# Altium PCB LAB_B3_209_V2.PcbDoc (part 4 of 4)
Units mm, origin at the board's own origin, x right, y up, seen from the top; angles counter-clockwise.
Board outline 94.69 x 88.04 mm, 4 copper layers (L1 [TOP], L2[GND], L3[SIG], L4[BOT]), stack 1.527 mm thick; 372 components, 284 nets, 1235 pads, 485 vias.
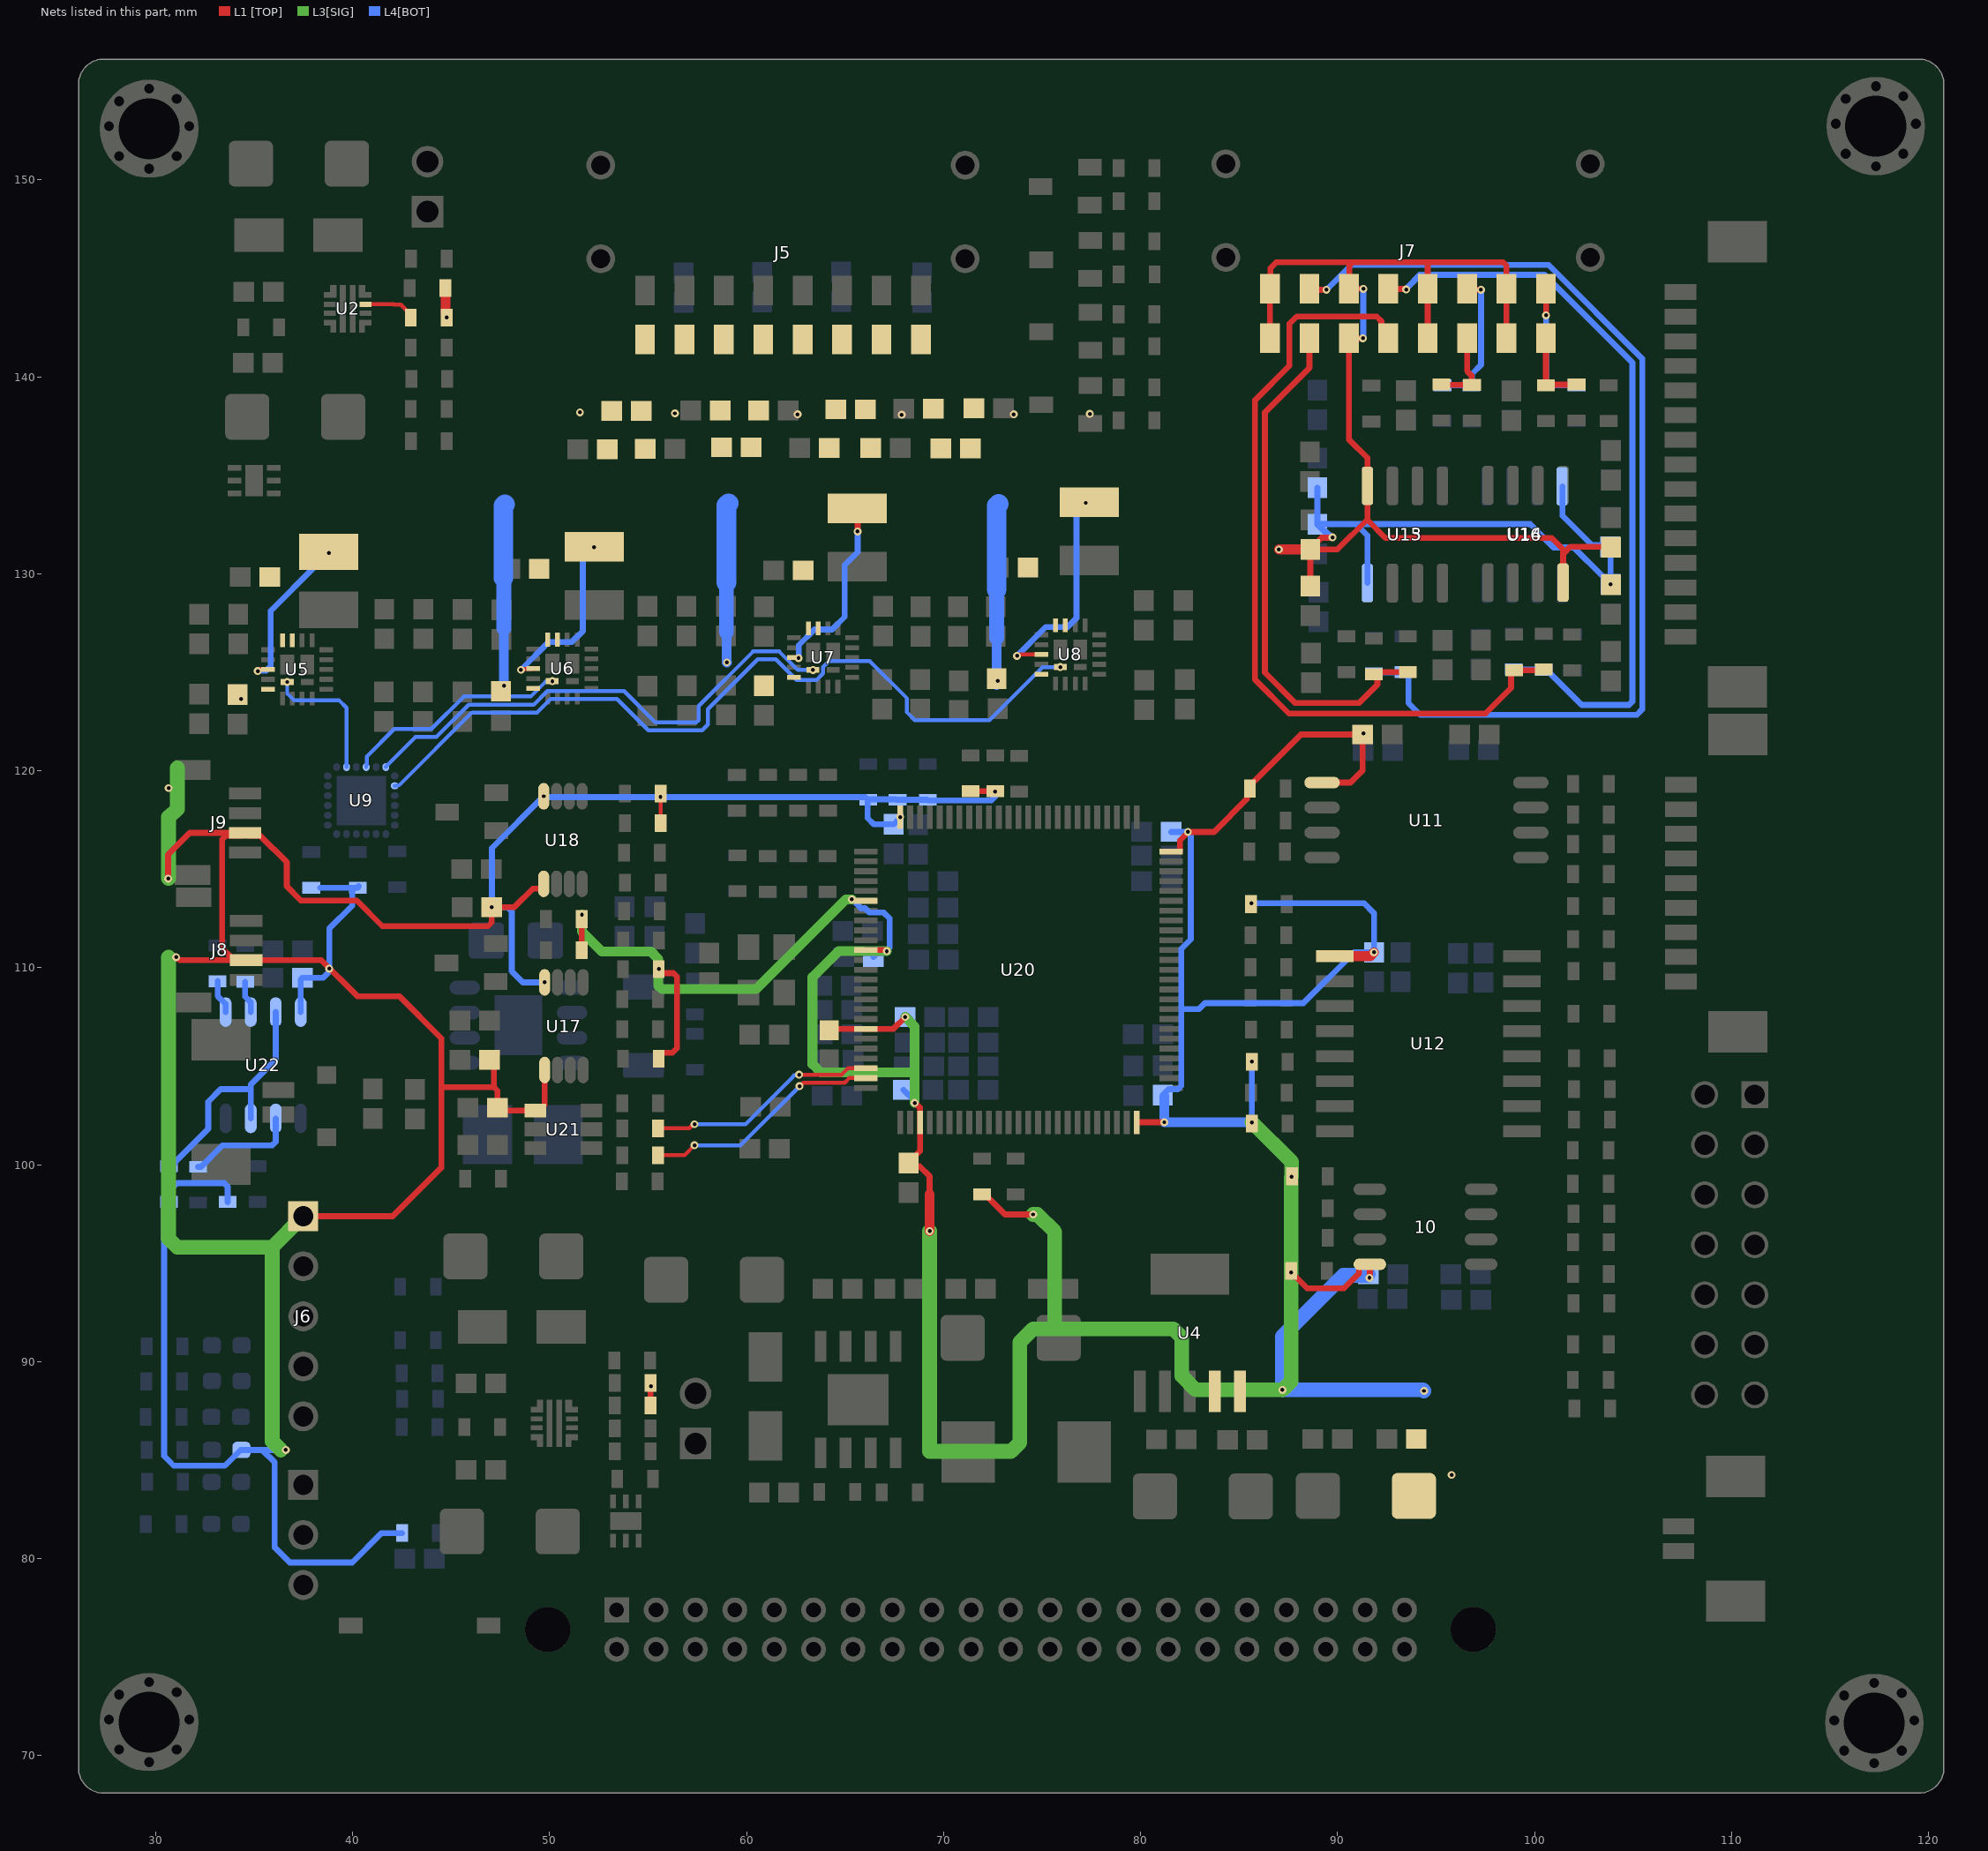
[diagram p6: the nets of this part, all layers, seen from the top]

## Via types
v1: diameter 0.4, hole 0.2, L1 [TOP] to L4[BOT], tented both sides, 297 vias
v2: diameter 0.4, hole 0.2, L1 [TOP] to L4[BOT], 66 vias
v3: diameter 0.4, hole 0.2, L1 [TOP] to L2[GND], tented both sides, 66 vias
v4: diameter 0.4, hole 0.2, L2[GND] to L4[BOT], tented both sides, 14 vias
v5: diameter 0.5, hole 0.2, L1 [TOP] to L4[BOT], tented both sides, 12 vias
v6: diameter 0.4, hole 0.2, L3[SIG] to L4[BOT], 10 vias
v7: diameter 0.4, hole 0.2, L1 [TOP] to L3[SIG], tented both sides, 9 vias
v8: diameter 0.4, hole 0.2, L1 [TOP] to L2[GND], 6 vias
v9: diameter 0.4, hole 0.2, L3[SIG] to L4[BOT], tented both sides, 3 vias
v10: diameter 0.4, hole 0.2, L2[GND] to L4[BOT], 2 vias

## Nets (pads, with @x,y where several pads share a name; then routed paths per layer and width w, separated by ;. In a path a pad name is that pad's centre, name@x,y a point inside that pad or via, vN(x,y) a via of type N, cw(c..) or ccw(c..) an arc to the next point about the centre after c; other vN are vias at no path point) (continued)
NetR140_1: R140.1 U22.3 U22.7 | length 12.5
  L4[BOT] w0.3: R140.1@30.736,99.898 30.808,99.898 30.983,100.074 30.983,100.145 32.664,101.826 32.664,103.2 33.301,103.837 34.823,103.837 ; U22.3@34.823,102.354 34.823,104.064 36.093,105.334 U22.7@36.093,107.754
NetR142_1: R142.1 U22.6 | length 1.7
  L4[BOT] w0.3: R142.1@34.544,109.296 34.544,108.53 34.823,108.251 U22.6@34.823,107.754
NetR143_1: R143.1 U22.5 | length 1.7
  L4[BOT] w0.3: R143.1@33.147,109.322 33.147,108.572 33.553,108.165 U22.5@33.553,107.754
NetR144_1: R144.1 U22.2 | length 5.7
  L4[BOT] w0.3: R144.1@32.156,99.898 32.306,99.898 33.394,100.986 35.918,100.986 36.093,101.162 U22.2@36.093,102.354
NetR149_2: R149.2 U2.3 | length 2.7
  L1 [TOP] w0.2: U2.3@40.647,143.684 42.08,143.684 42.098,143.666 42.439,143.666 42.949,143.155 R149.2@42.949,143.005
NTC1+: 10.8 C18.1 C19.2 C36.2 C39.2 C60.2 C63.2 C72.2 C76.2 C80.2 C85.1 C87.1 C94.1 C95.1 C101.1 C103.1 C109.1 C111.1 C117.1 C118.1 C126.1 C127.1 C128.1 C132.1 C136.1 C137.1 C138.1 C143.1 C155.1 DS4.A J6.1 J7.1 J7.3 J7.5 J7.7 J7.9 J7.11 J7.13 J7.15 J8.2 J9.2 L7.1 R3.1 R14.1 R37.2 R38.2 R40.2 R41.2 R47.1 R48.1 R49.1 R90.2 R91.2 R92.2 R93.2 R99.2 R100.2 R110.1 R118.2 R135.1 R136.1 R137.2 R139.2 R140.2 R145.2 R146.2 R147.2 R148.2 R149.1 U4.4 U4.5 U5.14 U6.14 U7.14 U8.14 U11.1 U12.1 U13.8 U14.8 U15.8 U16.8 U17.1 U17.8 U18.1 U18.8 U20.6 U20.11 U20.19 U20.28 U20.50 U20.75 U20.100 U21.1 U22.8 | length 527.6
  L1 [TOP] w0.2: R99.2@55.638,117.348 R100.2@55.638,118.847
  L1 [TOP] w0.3: v1(30.632,114.529) 30.632,115.748 31.734,116.849 J9.2@34.544,116.849 ; v1(31.039,110.541) 31.066,110.541 31.218,110.388 J8.2@34.595,110.388 38.405,110.388 40.234,108.56 42.367,108.56 44.501,106.426 44.501,103.937 ; J8.2@33.83,110.538 33.374,110.994 33.374,116.524 33.55,116.699 34.394,116.699 J9.2@34.544,116.849 ; J6.1@37.49,97.384 42.037,97.384 44.501,99.847 44.501,103.937 ; C117.1@46.953,105.334 47.174,105.112 47.174,103.937 ; U18.1@49.698,114.259 49.698,114.136 49.583,114.02 49.149,114.02 48.209,113.081 v1(47.066,113.081) C118.1@47.054,113.081 47.054,112.291 46.878,112.116 41.504,112.116 40.208,113.411 37.357,113.411 37.357,113.438 36.652,114.143 36.652,115.367 35.32,116.699 34.694,116.699 J9.2@34.544,116.849 ; U17.1@49.749,104.811 49.749,103.024 49.475,102.75 U21.1@49.275,102.75 47.5,102.75 C143.1@47.35,102.9 47.35,103.761 47.174,103.937 ; R93.2@51.625,110.897 R91.2@51.625,112.471 ; R135.1@55.118,87.782 R3.1@55.118,88.748 ; R92.2@55.537,105.385 55.537,105.535 55.687,105.685 56.231,105.685 56.464,105.918 56.464,109.55 56.288,109.726 55.687,109.726 55.537,109.876 v7(55.537,109.931) ; L7.1@64.2,106.835 64.265,106.9 U20.19@66.05,106.9 67.45,106.9 v1(68.05,107.5) ; U20.11@66.05,110.9 67.033,110.9 67.088,110.846 v1(67.115,110.846) ; v1(68.528,103.142) 68.553,103.142 68.8,102.895 U20.28@68.8,102.15 68.8,100.69 68.25,100.14 68.466,99.924 68.785,99.924 69.291,99.418 69.291,98.501 ; R148.2@71.374,118.961 R118.2@72.619,118.961 v2(72.606,118.948) R118.2@72.593,118.936 ; R137.2@71.958,98.489 72.108,98.489 73.119,97.478 v1(74.549,97.478) ; U20.50@79.8,102.15 79.8,102.159 v1(81.204,102.159) ; U20.75@81.55,115.9 82,115.9 82,116.473 v1@82.4,116.873 ; v1(82.4,116.9) 83.727,116.9 85.397,118.57 85.397,118.951 R136.1@85.547,119.101 ; R136.1@85.547,119.251 88.14,121.844 C80.2@91.262,121.844 ; R48.1@85.649,102.083 v1(85.649,102.158) R48.1@85.649,102.233 ; J7.1@86.574,141.969 J7.9@86.574,144.469 86.589,144.484 86.589,145.517 86.893,145.821 90.778,145.821 ; v7(87.643,94.54) 87.643,94.465 87.793,94.315 87.868,94.315 88.457,93.726 90.322,93.726 91.097,94.5 91.097,94.807 91.337,95.047 10.8@91.643,95.047 ; R41.2@87.643,99.365 v7(87.668,99.39) ; C94.1@88.621,129.376 C95.1@88.621,131.24 ; U11.1@89.213,119.405 90.653,119.405 91.274,120.027 C80.2@91.274,121.844 ; v1(89.738,131.851) 89.719,131.832 89.187,131.832 88.621,131.265 C95.1@88.621,131.24 ; J7.11@90.574,144.469 J7.11@90.58,144.475 ; v1(91.288,141.961) 90.582,141.961 J7.3@90.574,141.969 90.574,136.833 91.516,135.89 U13.8@91.516,134.468 91.516,132.766 ; v1(91.313,144.475) J7.11@90.58,144.475 ; v1(91.618,94.259) 91.637,94.279 10.8@91.637,94.726 ; J7.5@94.574,141.969 J7.13@94.574,144.469 94.574,145.821 ; J7.7@98.574,141.969 J7.15@98.574,144.469 98.574,145.646 98.398,145.821 94.574,145.821 ; U14.8@101.448,129.559 101.448,131.013 ; C87.1@103.886,131.355 103.886,131.38 101.815,131.38 101.448,131.013 ; 44.501,103.937 47.174,103.937 ; C95.1@88.621,131.24 89.991,131.24 91.516,132.766 ; J7.11@90.58,144.475 90.602,144.497 90.602,145.646 90.778,145.821 ; 90.778,145.821 94.574,145.821 ; 91.516,132.766 91.516,132.74 92.431,131.826 100.863,131.826 101.448,131.242 101.448,131.013
  L1 [TOP] w0.5: R14.1@44.714,144.504 44.714,143.206 44.78,143.141 v1(44.78,143.027) ; v1(69.291,96.628) 69.291,98.501 ; R136.1@85.547,119.101 R136.1@85.547,119.251 ; v2@87.02,131.242 v2(87.022,131.24) C95.1@88.621,131.24 ; U12.1@89.865,110.592 91.655,110.592 v1(91.846,110.783) ; C80.2@91.262,121.844 v7(91.313,121.895)
  L3[SIG] w0.5: v7(51.638,112.7) 51.638,111.836 52.654,110.82 55.143,110.82 55.518,110.446 55.518,109.95 v7(55.537,109.931) 55.518,109.912 55.518,109.091 55.693,108.915 60.477,108.915 65.034,113.471 v1(65.339,113.471) ; v1(67.115,110.846) 64.668,110.846 63.343,109.52 63.343,105.106 63.756,104.693 68.528,104.693 ; v1(68.05,107.5) 68.528,107.022 68.528,104.693 ; v1(68.528,103.142) 68.528,104.693
  L3[SIG] w0.75: 30.658,110.541 30.658,96.248 31.097,95.809 35.916,95.809 ; v1@30.658,114.529 30.658,117.653 ; 30.683,117.653 31.096,118.065 31.096,120.148 ; 36.355,85.522 35.916,85.961 35.916,95.809 ; J6.1@37.49,97.384 35.916,95.809 ; v1(69.291,96.628) 69.291,85.446 73.424,85.446 73.863,85.885 73.863,90.983 74.549,91.669 75.641,91.669 ; v1(74.549,97.478) 74.759,97.478 75.641,96.596 75.641,91.669 ; v1(85.649,102.158) 87.668,100.138 v7(87.668,99.39) ; v7@87.643,99.365 v7(87.643,94.54) 87.643,89.015 v1(87.198,88.57) 82.804,88.57 82.093,89.281 82.093,91.229 81.653,91.669 75.641,91.669
  L4[BOT] w0.3: R139.2@33.655,98.108 33.655,98.893 33.479,99.068 31.075,99.068 30.689,98.682 30.689,98.113 R140.2@30.683,98.108 30.579,98.108 30.429,97.958 30.429,85.217 30.706,84.94 30.706,84.927 30.911,84.722 33.514,84.722 34.314,85.522 DS4.A@34.354,85.522 35.408,85.522 ; v2(36.601,85.522) 35.408,85.522 ; U22.8@37.363,107.754 37.363,109.41 C155.1@37.453,109.499 38.506,109.499 38.811,109.804 v1(38.811,109.957) 38.811,111.989 39.982,113.159 39.982,113.909 R38.2@40.132,114.059 ; 38.357,114.059 R38.2@40.132,114.059 ; R38.2@40.183,114.071 R38.2@40.183,114.059 ; R38.2@40.259,114.059 R38.2@40.221,114.059 ; R38.2@40.31,114.148 R38.2@40.221,114.059 ; R110.1@42.511,81.3 41.473,81.3 39.98,79.807 36.805,79.807 36.043,80.569 36.043,84.887 35.408,85.522 ; v1(49.749,109.261) 48.64,109.261 48.077,109.824 48.077,112.858 47.854,113.081 v1(47.066,113.081) 47.066,116.078 v1(49.698,118.709) 49.717,118.69 49.788,118.69 49.809,118.669 v1@55.599,118.669 ; v1(55.626,118.669) 66.027,118.669 R145.2@66.141,118.555 ; v1(65.339,113.471) 65.361,113.471 65.81,113.023 66.022,113.023 66.242,112.803 66.962,112.803 67.259,112.507 67.259,111.016 67.115,110.873 v1(67.115,110.846) 66.739,110.846 C137.1@66.434,110.541 ; R146.2@67.678,118.517 R146.2@67.665,118.529 ; v1(67.793,117.653) 67.793,117.615 C127.1@67.462,117.285 66.458,117.285 66.141,117.602 R145.2@66.141,118.555 ; C132.1@67.95,103.8 67.975,103.8 68.509,103.266 68.509,103.161 v1(68.528,103.142) ; v2(72.606,118.948) 72.606,118.68 72.43,118.504 69.189,118.504 69.164,118.529 R146.2@67.665,118.529 ; v1(81.204,102.159) v1(81.204,102.159) ; C126.1@81.204,103.466 C126.1@81.128,103.542 81.427,103.841 81.89,103.841 82.066,104.017 82.066,107.899 ; C136.1@81.55,116.9 v1(82.4,116.9) 82.4,116.873 82.545,116.728 82.545,111.443 82.066,110.964 82.066,107.899 ; v1(85.623,113.284) 91.338,113.284 91.846,112.776 v1(91.846,110.783) 90.844,110.783 88.265,108.204 83.261,108.204 82.956,107.899 82.066,107.899 ; v1(85.649,102.158) v1(85.649,105.232) ; C111.1@88.976,134.378 C109.1@88.976,132.525 ; v1(89.738,131.851) 89.711,131.851 89.412,132.15 89.326,132.15 88.976,132.5 C109.1@88.976,132.525 ; v1(91.288,141.961) 91.3,141.973 91.3,144.463 v1(91.313,144.475) ; U15.8@91.516,129.534 91.516,131.953 90.944,132.525 ; U16.8@101.422,134.448 101.422,132.944 102.895,131.47 103.746,131.47 C103.1@103.835,131.381 103.861,131.355 C101.1@103.861,129.502 ; v1(103.861,129.477) C101.1@103.861,129.502 ; R38.2@40.132,114.059 R38.2@40.183,114.059 ; R38.2@40.183,114.059 R38.2@40.221,114.059 ; R145.2@66.141,118.555 67.589,118.555 67.615,118.529 R146.2@67.665,118.529 ; C109.1@88.976,132.525 90.944,132.525 ; 90.944,132.525 99.783,132.525 100.965,131.343 101.994,131.343 103.486,129.852 103.511,129.852 C101.1@103.861,129.502
  L4[BOT] w0.5: v1(47.676,124.324) 47.676,127.229 ; 58.979,127.025 58.979,125.527 v1(58.996,125.509) ; 72.695,124.369 72.695,126.746 ; v1(81.204,102.159) C126.1@81.204,103.466 ; v1(81.204,102.159) v1(85.649,102.158)
  L4[BOT] w0.75: 47.65,129.794 47.676,129.769 47.676,127.229 ; 58.979,127.025 58.979,129.565 ; 72.695,126.746 72.695,129.21 ; C72.2@91.554,94.437 91.503,94.386 90.297,94.386 87.198,91.288 v1(87.198,88.57) 94.336,88.57 v1(94.386,88.519)
  L4[BOT] w1: 47.65,129.794 47.65,133.452 47.727,133.528 ; 58.979,129.565 58.979,133.477 59.08,133.579 ; 72.695,129.21 72.695,133.452 72.796,133.553
  other v1: 95.792,84.252 34.341,123.647 72.746,124.572
  other v2: 30.658,119.126
  other v6: 67.869,138.074 62.586,138.1 73.558,138.1 77.419,138.125 56.363,138.151 51.537,138.201
  other v7: 55.143,88.748
NTC1-: J7.2 R68.1 R71.2 | length 26.8
  L1 [TOP] w0.3: J7.2@88.574,141.969 88.574,140.466 86.309,138.201 86.309,124.993 87.859,123.444 91.084,123.444 92.024,124.384 92.024,124.981 92.062,125.019 R68.1@93.574,125.019
NTC2-: J7.4 R74.2 R77.1 | length 41.5
  L1 [TOP] w0.3: J7.4@92.578,141.973 92.224,142.328 92.224,142.833 91.988,143.069 87.929,143.069 87.554,142.694 87.554,140.564 85.809,138.819 85.809,124.63 87.528,122.911 97.511,122.911 98.809,124.209 98.809,125.108 100.419,125.108 R77.1@100.457,125.146
NTC3-: J7.6 R69.2 R70.1 | length 4
  L1 [TOP] w0.3: R69.2@95.275,139.611 95.288,139.598 R70.1@96.825,139.598 96.799,139.624 96.799,140.081 96.574,140.307 J7.6@96.574,141.969
NTC4-: J7.8 R75.1 R76.2 | length 4
  L1 [TOP] w0.3: J7.8@100.574,141.969 100.574,139.583 R75.1@100.584,139.573 100.622,139.611 R76.2@102.133,139.611
NTC5-: J7.10 R79.2 R82.1 | length 52.6
  L1 [TOP] w0.3: J7.10@88.574,144.469 88.618,144.424 v1(89.433,144.424)
  L4[BOT] w0.3: v1(89.433,144.424) 90.695,145.686 100.211,145.686 100.715,145.686 105.468,140.933 105.468,123.123 105.187,122.842 94.201,122.842 93.599,123.444 93.599,124.981 93.593,124.987 R82.1@92.03,124.987
NTC6-: J7.12 R86.1 R88.2 | length 38.7
  L1 [TOP] w0.3: J7.12@92.574,144.469 93.421,144.469 93.451,144.438 v1(93.478,144.438)
  L4[BOT] w0.3: v1(93.478,144.438) 93.478,144.465 93.922,144.909 93.922,144.95 94.158,145.186 100.508,145.186 104.968,140.726 104.968,123.518 104.792,123.342 102.398,123.342 100.607,125.133 R88.2@100.457,125.133 100.451,125.14 98.939,125.14 R86.1@98.933,125.146
NTC7-: J7.14 R81.1 R83.2 | length 7.3
  L1 [TOP] w0.3: J7.14@96.574,144.469 96.618,144.424 v1(97.282,144.424)
  L4[BOT] w0.3: R81.1@95.326,139.573 95.333,139.567 96.793,139.567 R83.2@96.8,139.56 96.825,139.585 96.825,140.157 97.282,140.614 v1(97.282,144.424)
NTC8-: J7.16 R87.2 R89.1 | length 6.4
  L1 [TOP] w0.3: J7.16@100.574,144.469 100.584,144.458 v1(100.584,143.129)
  L4[BOT] w0.3: v1(100.584,143.129) R87.2@100.584,139.585 100.59,139.579 102.127,139.579 R89.1@102.133,139.573
TEC_1_A: C30.2 C31.2 C35.2 J5.1 U5.8 U5.9
TEC_1_ADC: U5.20 U9.2 | length 6.9
  L4[BOT] w0.2: v1(36.678,124.511) 36.678,123.927 37.014,123.59 39.3,123.59 39.687,123.203 U9.2@39.687,120.191
TEC_1_B: C35.1 C42.2 J5.2 L2.2 U5.12 | length 8.3
  L1 [TOP] w0.2: v1(35.179,125.07) 35.28,125.171 35.686,125.171 U5.12@35.711,125.146
  L4[BOT] w0.3: v1(35.179,125.07) 35.198,125.089 35.605,125.089 35.839,125.324 35.839,128.119 38.074,130.354 38.076,130.354 v1(38.786,131.064)
TEC_2_A: C32.2 C33.2 C34.2 J5.3 U6.8 U6.9
TEC_2_ADC: U6.20 U9.4 | length 11.6
  L4[BOT] w0.2: U9.4@40.687,120.191 40.687,120.257 40.716,120.285 40.716,120.726 42.113,122.123 43.993,122.123 45.644,123.774 49.041,123.774 49.78,124.514 50.1,124.514 v1(50.138,124.552)
TEC_2_B: C34.1 C43.2 J5.4 L3.2 U6.12 | length 9.1
  L1 [TOP] w0.2: v1(48.539,125.127) 48.575,125.162 49.146,125.162 U6.12@49.171,125.187
  L4[BOT] w0.3: v1(48.539,125.127) 49.955,126.543 51.13,126.543 51.679,127.092 51.679,130.775 v1(52.248,131.343)
TEC_3_A: C54.2 C55.2 C58.2 J5.5 U7.8 U7.9
TEC_3_ADC: U7.20 U9.6 | length 26.3
  L4[BOT] w0.2: U9.6@41.687,120.191 41.736,120.24 41.736,120.265 43.194,121.723 44.25,121.723 45.888,123.361 49.193,123.361 49.886,124.054 53.772,124.054 55.372,122.453 57.439,122.453 57.556,122.571 57.556,123.292 60.325,126.06 61.653,126.06 62.592,125.12 v1(63.373,125.12)
TEC_3_B: C58.1 C66.2 J5.6 L4.2 U7.12 | length 9.6
  L1 [TOP] w0.2: U7.12@62.406,125.755 62.611,125.755 v1(62.636,125.73)
  L1 [TOP] w0.3: L4.2@65.608,133.326 65.634,133.301 v1(65.634,132.156)
  L4[BOT] w0.3: v1(62.636,125.73) 62.645,125.739 62.645,126.38 63.443,127.178 64.338,127.178 64.976,127.816 64.976,130.452 65.634,131.109 v1(65.634,132.156)
TEC_4_A: C56.2 C57.2 C59.2 J5.7 U8.8 U8.9
TEC_4_ADC: U8.20 U9.8 | length 42
  L4[BOT] w0.2: U9.8@42.137,119.241 42.202,119.241 42.231,119.27 42.362,119.27 46.054,122.961 49.359,122.961 50.051,123.654 53.416,123.654 55.016,122.053 57.741,122.053 58.039,122.352 58.039,123.139 60.56,125.66 61.487,125.66 62.535,124.612 63.551,124.612 63.881,124.943 63.881,125.273 64.186,125.578 66.243,125.578 68.142,123.679 68.142,122.968 68.536,122.574 72.333,122.574 75.03,125.271 v1(75.925,125.271)
TEC_4_B: C59.1 C67.2 J5.8 L5.2 U8.12 | length 11.1
  L1 [TOP] w0.2: v1(73.724,125.838) 73.778,125.838 73.846,125.906 U8.12@74.958,125.906
  L4[BOT] w0.3: v1(73.724,125.838) 75.191,127.305 76.302,127.305 76.749,127.752 76.749,133.137 v1(77.216,133.604)
"WD DONE": R107.1 U20.24 | length 12.2
  L1 [TOP] w0.2: R107.1@55.499,100.482 56.845,100.482 v1(57.353,100.99) ; v1(62.687,103.988) 62.865,104.165 64.975,104.165 65.21,104.4 U20.24@66.05,104.4 U20.24@66.06,104.41
  L4[BOT] w0.2: v1(57.353,100.99) 59.69,100.99 v1(62.687,103.988)
"WD WAKE": R106.1 U20.23 | length 11.8
  L1 [TOP] w0.2: R106.1@55.499,101.854 57.096,101.854 57.299,102.057 v1(57.353,102.057) ; v1(62.662,104.572) 62.669,104.565 64.809,104.565 65.144,104.9 U20.23@66.05,104.9 U20.23@66.064,104.914
  L4[BOT] w0.2: v1(57.353,102.057) 59.944,102.057 62.332,104.445 62.332,104.455 62.41,104.534 62.624,104.534 v1(62.662,104.572)
pads on no net: Designator12.Hole Designator13.Hole Designator14.Hole Designator15.Hole J1. J5.SH1 J5.SH2 J5.SH3 J5.SH4 J7.SH1 J7.SH2 J7.SH3 J7.SH4 J8.MH J9.MH J12.13 U3.2 U3.3 U3.5 U9.10 U9.11 U9.12 U9.13 U9.14 U9.15 U9.16 U9.17 U12.7 U12.10 U20.39 U20.77 U20.81 U20.82 U20.87 U20.88 U20.89

## Polygon pours and split planes (outlines as drawn)
GND_CAM on L3[SIG] "NONET_L-01_P-001" (solid, pour order 15): 48.158,78.486 88.087,78.486 88.087,76.175 94.742,76.175 94.742,78.283 94.945,78.486 104.035,78.486 112.305,86.755 112.305,106.1 110.689,106.1 110.363,106.426 110.363,121.895 107.366,124.892 107.366,143.358 108.814,144.805 108.814,149.301 117.958,149.301 117.958,70.358 48.108,70.358 48.133,70.383 48.133,78.461
GND on L3[SIG] "NONET_L-01_P-001" (solid, remove dead copper, pour order 19): 26.192,154.986 26.192,69.338 ccw(c27.386,69.338) 27.386,68.144 119.613,68.144 ccw(c119.613,69.287) 120.756,69.287 120.756,154.961 ccw(c119.715,154.961) 119.715,156.002 27.208,156.002 ccw(c27.208,154.986)
+5v on L3[SIG] "NONET_L-01_P-001" (solid, pour order 2): 29.845,90.348 29.87,90.322 34.646,90.322 34.646,84.48 29.769,84.48
+5v on L3[SIG] "NONET_L-01_P-001" (solid, pour order 1): 74.6,84.811 74.6,90.729 81.204,90.729 81.204,82.271 74.626,82.271
+5v on L3[SIG] "NONET_L-01_P-001" (solid, pour order 0): 41.732,149.555 46.516,149.555 46.49,128.676 32.41,128.676 32.131,128.397 32.131,123.927 29.947,121.742 29.947,84.607 79.223,84.607 79.223,82.245 28.169,82.245 28.067,82.347 28.067,149.479 37.516,149.479 37.541,149.504 37.541,144.805 41.732,144.805 41.732,149.606
GND on L4[BOT] "NONET_L-01_P-001" (solid, remove dead copper, pour order 21): 26.192,155.037 26.192,69.414 ccw(c27.386,69.414) 27.386,68.22 119.664,68.22 ccw(c119.664,69.312) 120.756,69.312 120.756,154.936 ccw(c119.588,154.936) 119.588,156.104 27.259,156.104 ccw(c27.259,155.037)
GND_12_EXP on L4[BOT] "NONET_L-01_P-001" (solid, pour order 11): 106.655,111.023 106.68,104.927 110.185,104.927 110.185,100.076 112.293,100.076 112.305,106.1 112.293,106.477 110.414,106.477 110.338,111.023
GND on L2[GND] "NONET_L-01_P-001" (solid, pour order 17): 27.445,156.21 ccw(c27.445,154.965) 26.2,154.965 26.2,69.291 ccw(c27.318,69.291) 27.318,68.174 119.748,68.174 ccw(c119.748,69.317) 120.891,69.317 120.891,155.067 ccw(c119.748,155.067) 119.748,156.21
GND_CAM on L2[GND] "NONET_L-01_P-001" (solid, remove dead copper, pour order 22): 52.629,79.337 52.629,70.028 118.288,70.028 118.288,145.212 105.867,145.212 105.867,125.501 115.341,125.501 115.341,81.991 106.376,81.991 97.917,73.482 76.378,73.508 76.378,78.257 74.498,79.262
GND on L1 [TOP] "NONET_L-01_P-001" (solid, remove dead copper, pour order 20): 26.162,154.991 26.162,69.393 ccw(c27.381,69.393) 27.381,68.174 119.685,68.174 ccw(c119.685,69.215) 120.726,69.215 120.726,155.016 ccw(c119.685,155.016) 119.685,156.058 27.229,156.058 ccw(c27.229,154.991)

## Keep-outs
Keep-Out Layer:
  lines w0.254: 26.086,69.367 ccw(c27.356,69.367) 27.356,68.097 119.507,68.097 ccw(c119.507,69.367) 120.777,69.367 120.777,154.864 ccw(c119.507,154.864) 119.507,156.134 30.556,156.134 27.356,156.134 ccw(c27.356,154.864) 26.086,154.864 26.086,152.705 26.086,69.367

## Other copper
L1 [TOP]:
  rectangle net NTC1+: 58.42,125.095 60.503,125.755
  rectangle net NTC1+: 59.665,124.739 60.503,125.755
  region net TEC_2_B: 60.02,140.945 60.325,141.249 60.325,140.945
  region net TEC_2_B: 61.239,140.157 61.392,140.31 61.392,140.386 61.239,140.386
  region net +12V: 49.39,88.57 49.974,88.57 49.974,88.252 49.902,88.18
  region net +12V: 50.089,88.189 50.597,88.57 49.974,88.57
  region net +12V: 49.352,90.932 49.352,88.57 50.597,88.57 50.597,90.424 51.439,90.424 51.837,90.932
  region net +5v: 74.574,80.67 77.064,78.181 77.064,80.493 76.86,80.696
  region net +5v: 77.876,78.08 81.915,80.67 77.851,80.67
  region net NetC123_2: 35.433,102.972 43.739,102.972 43.739,101.803 40.513,101.803 39.649,100.94 38.151,100.94 36.932,102.159 35.433,102.159
  region net IR_LED_P: 35.431,104.207 37.26,104.207 38.047,104.995 39.876,104.995 40.485,104.385 43.737,104.385 43.737,103.293 35.431,103.293
  region net IR_LED_P: 35.433,104.216 37.262,104.216 38.049,105.004 39.878,105.004 40.488,104.394 43.739,104.394 43.739,103.302 35.433,103.302
  region net TEC_1_B: 54.127,135.839 54.127,134.899 47.574,134.899 47.574,134.036 55.397,134.036 55.397,135.839
  region net NTC1+: 75.311,125.044 72.136,125.044 72.136,124.003 73.838,124.003 74.6,124.765 75.311,124.765
  region net NTC1+: 62.763,124.892 59.665,124.892 59.665,123.749 61.493,123.749 62.052,124.308 62.052,124.612 62.763,124.612
  region net NTC1+: 49.53,124.333 47.066,124.333 47.066,123.647 48.438,123.647 48.844,124.054 49.53,124.054
  region net NTC1+: 36.068,124.308 33.68,124.308 33.68,123.444 34.646,123.444 35.204,124.003 36.068,124.003
  region net HEATER_1_A: 34.798,126.416 34.798,125.781 35.179,125.781
  region net HEATER_1_A: 36.068,125.527 31.598,125.527 31.598,127.051 34.798,127.051 34.798,125.781 36.043,125.781
  region net HEATER_1_A: 48.463,125.832 48.082,126.39 48.082,125.857 48.057,125.832
  region net HEATER_1_A: 39.878,125.806 40.742,125.806 40.742,126.543
  region net HEATER_1_A: 49.53,125.832 48.057,125.832 48.082,125.806 48.082,125.527 49.53,125.527
  region net HEATER_1_A: 38.303,125.806 40.742,125.806 40.742,127.279 48.082,127.279 48.082,125.501 42.469,125.501 38.303,125.501
  region net HEATER_1_A: 54.356,125.552 54.356,126.086 54.788,126.086
  region net HEATER_1_A: 52.781,125.832 52.807,125.832 54.356,127.381 54.356,125.552 52.781,125.552
  region net HEATER_1_A: 54.356,127.381 56.439,127.381 56.439,126.086 54.381,126.086 54.356,126.086
  region net NetC41_1: 50.775,130.048 50.775,126.314 51.537,126.314 51.537,127.025 51.994,127.483 53.772,127.483 53.772,130.048
  region net HEATER_1_A: 51.765,125.832 51.765,125.552 53.797,125.552 53.797,125.832
  region net HEATER_1_A: 56.439,127.381 61.392,127.381 61.773,127 61.773,126.39 62.763,126.39 62.763,126.086 56.439,126.086
  region net NetC40_1: 37.287,129.388 37.287,126.263 38.075,126.263 38.075,127 40.03,127 40.31,127.279 40.31,129.388
  region net TEC_1_A: 35.255,127.305 36.297,126.975 36.297,126.263 37.059,126.263 37.059,127.305
  region net TEC_1_A: 37.059,127.914 37.059,127.305 35.255,127.305 35.255,127.914
  region net +5v: 35.662,133.909 35.662,136.627 38.288,136.627 38.288,135.357 37.211,135.357 37.211,133.909
  region net TEC_1_A: 45.923,138.862 45.923,133.502 36.474,133.502 36.474,132.309 47.295,132.309 47.295,138.862 47.092,138.862
  region net TEC_1_A: 35.255,127.914 35.255,133.502 37.059,133.502 37.059,127.914
  region net TEC_1_A: 53.645,138.862 45.923,138.862 45.923,137.287 53.676,137.287
  region net TEC_1_A: 52.375,137.744 52.375,137.236 52.375,135.788 53.67,135.788 53.67,137.389 53.67,137.744
  region net TEC_1_B: 46.99,132.029 47.574,132.029 47.574,131.242 46.99,131.242 46.99,131.089
  region net TEC_1_B: 47.574,134.087 47.574,131.242 48.539,131.242 48.539,134.087
  region net TEC_1_B: 37.287,132.004 46.99,132.004 46.99,130.15 37.287,130.15
  region net TEC_1_B: 54.127,140.818 56.337,140.818 56.337,140.843 56.337,142.646 57.404,142.646 57.404,139.751 54.127,139.751
  region net TEC_1_B: 54.127,137.77 54.127,135.839 55.397,135.839 55.397,137.77
  region net TEC_1_B: 54.127,137.77 54.127,140.818 55.232,140.818 55.397,140.653 55.397,137.77
  region net TEC_1_A: 53.67,137.744 53.67,141.402 52.578,141.402 52.578,137.744
  region net TEC_1_A: 55.363,142.646 52.578,142.646 52.578,141.148 55.363,141.148
  region net TEC_2_B: 50.775,132.41 59.588,132.41 59.588,135.839 59.614,135.865 60.858,135.865 60.858,131.42 50.775,131.42
  region net TEC_2_B: 60.325,142.672 60.325,140.945 60.02,140.945 60.02,137.77 61.239,137.77 61.239,140.386 61.392,140.386 61.392,142.672
  region net TEC_2_A: 50.114,129.731 50.114,127.787 50.546,127.356 50.546,126.314 49.759,126.314 49.759,126.975 49.352,127.381 48.895,127.838 48.895,129.731
  region net TEC_2_A: 49.149,132.613 57.988,132.613 57.988,133.782 49.149,133.782
  region net TEC_2_A: 48.895,129.731 48.895,133.782 50.114,133.782 50.114,129.731
  region net TEC_2_B: 60.858,136.703 61.239,137.084 60.858,137.084
  region net TEC_2_B: 59.614,137.49 60.02,137.897 60.02,137.49
  region net TEC_3_B: 67.056,139.675 66.116,139.675 66.116,142.697 64.237,142.697 64.237,140.64 65.456,140.64 65.456,137.846 65.456,137.795 67.056,137.795
  region net TEC_3_A: 63.5,135.814 63.5,135.509 62.306,135.509 62.306,131.191 63.754,131.191 63.754,134.62 63.779,134.645 65.176,134.645 65.176,135.814
  region net TEC_2_B: 60.02,137.77 60.02,137.49 59.614,137.49 59.614,135.865 60.858,135.865 60.858,137.084 61.214,137.084 61.239,137.084 61.239,137.77
  region net TEC_2_A: 57.963,142.672 57.963,139.954 57.963,132.613 59.36,132.613 59.36,139.217 59.36,142.672
  region net TEC_3_A: 63.881,137.77 63.5,137.389 63.5,135.814 65.176,135.814 65.176,137.77
  region net TEC_3_A: 63.348,142.646 63.373,142.621 63.373,140.411 65.176,140.411 65.176,140.36 65.176,137.77 63.881,137.77 63.881,139.725 62.357,139.725 62.357,142.646
  region net TEC_3_B: 65.456,134.366 64.11,134.366 64.11,132.588 67.107,132.588 67.107,134.087 66.827,134.366
  region net TEC_3_B: 65.456,137.795 65.456,134.01 67.056,134.01 67.056,137.795
  region net +5v: 38.288,135.357 38.288,140.872 41.057,140.872 41.046,135.357
  region net +5v: 38.288,140.872 38.451,140.984 39.965,142.091 39.997,142.059 39.997,140.803
  region net HEATER_1_A: 38.009,145.647 41.133,145.647 41.133,149.864 45.273,149.864 45.273,152.505 45.121,152.505 38.009,152.505
  region net HEATER_1_A: 41.133,145.647 39.584,144.987 39.571,144.999 39.571,145.647
  region net HEATER_1_A: 38.009,145.647 39.497,144.959 39.497,145.647
  region net +5v: 41.057,140.872 41.057,141.024 39.997,142.084 39.997,140.803
  region net HEATER_1_A: 64.999,126.111 73.431,126.111 73.431,126.238 75.311,126.238 75.311,126.568 74.219,126.568 74.219,126.721 73.508,127.432 66.396,127.432 66.396,127.406 65.862,126.416 64.999,126.416
  region net TEC_3_A: 63.754,126.873 62.992,126.873 62.992,129.311 62.306,129.311 62.306,131.191 63.754,131.191
  region net NetC65_1: 64.008,126.873 64.008,131.115 67.208,131.115 67.208,129.388 65.938,129.388 65.938,127.787 65.888,127.787 64.77,127.787 64.77,126.873
  region net HEATER_1_A: 77.495,126.263 83.058,126.263 83.058,127.66 79.629,127.66 78.511,126.543 77.495,126.543
  region net NetC64_1: 75.54,131.902 75.54,128.803 76.53,128.803 76.53,127.025 77.267,127.025 77.343,127.102 77.343,129.667 79.019,129.667 79.019,131.902
  region net TEC_4_A: 75.159,129.438 75.159,128.6 75.184,128.575 76.302,128.575 76.302,127.025 75.565,127.025 75.565,128.016 73.711,128.016 73.711,129.438
  region net TEC_4_A: 70.612,134.366 70.612,132.613 75.159,132.613 75.159,129.438 73.711,129.438 73.711,131.242 68.936,131.242 68.936,134.366
  region net TEC_4_A: 67.412,142.748 67.412,140.843 70.612,140.843 70.612,134.366 68.936,134.366 68.936,139.878 66.319,139.878 66.319,142.748
  region net TEC_4_B: 72.263,136.271 72.263,134.391 78.994,134.391 78.994,132.918 70.841,132.918 70.841,136.271
  region net TEC_4_B: 70.841,142.672 70.841,136.271 72.263,136.271 72.263,137.795 72.263,142.672
  region net TEC_4_B: 68.351,142.672 71.526,142.672 71.501,142.646 71.501,141.122 68.351,141.122
  region net +12V_EXP: 52.298,81.255 54.991,81.255 54.991,80.518 54.966,80.493 52.274,80.493
  region net NTC1+: 83.337,89.687 83.337,87.452 88.163,87.452 93.167,87.452 93.447,87.173 93.447,85.115 92.558,85.115 92.558,81.915 98.476,81.915 98.476,89.687
  region net +5v: 74.574,89.662 74.574,80.67 81.915,80.67 81.915,85.039 81.407,85.039 81.382,85.065 81.382,87.02 81.737,87.376 81.737,89.662
  region net +5v: 75.692,94.386 75.692,92.583 74.574,92.583 74.549,92.608 74.549,89.027 78.638,89.027 78.638,94.386
  region net +5v: 74.549,89.256 74.549,88.24 75.692,88.24 75.692,83.668 78.638,83.668 78.638,89.256
  region net NetC5_1: 58.979,82.804 58.979,80.569 73.812,80.569 73.812,87.757 69.875,87.757 69.774,87.757 69.748,87.749 69.748,82.601 61.57,82.601 61.366,82.804
  region net NetC5_1: 64.16,91.618 64.16,89.967 64.135,89.941 62.052,89.941 62.052,88.9 59.842,88.9 59.842,83.947 61.366,83.947 61.366,82.804 58.979,82.804 58.979,91.618
  region net +12V: 59.03,92.075 64.516,92.075 64.516,89.941 64.541,89.916 65.532,89.916 65.532,92.837 65.507,92.862 64.541,92.862 64.541,94.742 59.03,94.742
  region net +12V: 51.765,95.631 51.816,95.58 59.03,95.58 59.03,92.862 64.541,92.862 64.541,97.028 49.352,97.028 49.352,95.631
  region net +12V: 49.35,90.932 56.236,90.932 56.236,87.542 56.232,87.539 56.267,87.503 58.496,87.503 58.496,92.558 49.355,92.558
  region net +12V: 49.352,92.481 49.352,96.52 53.569,96.52 53.569,92.481
  region net +12V_EXP: 52.299,82.804 52.299,83.693 50.521,85.471 50.521,82.772
  region net +12V_EXP: 48.514,82.804 50.521,85.658 50.521,82.804
  region net +12V_EXP: 54.966,84.709 56.388,84.709 56.388,86.741 58.445,86.741 58.445,80.518 58.42,80.493 54.966,80.493
  region net +12V_EXP: 50.444,78.994 48.514,78.994 48.514,82.804 52.299,82.804 52.299,79.021
L3[SIG]:
  rectangle net NTC1+: 85.954,130.505 87.274,137.439
  rectangle net NTC1+: 32.207,120.193 34.798,122.174
  rectangle net NTC1+: 30.175,113.538 32.334,121.666
  rectangle net NTC1+: 50.724,137.262 87.274,139.167
  rectangle net NTC1+: 30.175,95.936 31.471,119.71
  rectangle net NTC1+: 30.175,91.465 35.204,96.164
  rectangle net NTC1+: 35.001,85.776 36.474,96.063
  rectangle net NTC1+: 35.001,84.988 54.712,86.233
  rectangle net NTC1+: 58.547,85.065 62.306,92.481
  rectangle net NTC1+: 62.001,86.868 64.008,89.408
  rectangle net NTC1+: 62.001,85.065 67.462,87.122
  rectangle net NTC1+: 62.027,89.078 67.742,92.481
  rectangle net NTC1+: 67.285,85.065 74.295,91.262
  rectangle net NTC1+: 68.148,90.957 73.863,90.983
  rectangle net NTC1+: 67.285,90.957 81.61,92.481
  rectangle net NTC1+: 81.458,83.312 95.987,92.481
  rectangle net HEATER_1_A: 38.075,145.11 41.3,150.216
  region net NTC1+: 75.667,96.476 75.667,92.431 77.927,92.431
  region net NTC1+: 73.407,92.38 75.667,92.38 75.667,96.476
  region net NTC1+: 69.596,95.529 69.596,92.431 71.907,92.431
  region net NTC1+: 66.696,92.329 68.986,92.329 68.986,95.631
  region net NTC1+: 84.43,137.287 86.03,137.287 86.055,137.262 85.979,137.185 85.979,135.788
  region net NTC1+: 31.344,111.382 32.334,113.538 31.344,113.64
  region net NTC1+: 30.175,121.615 32.41,123.901 32.41,124.308 34.798,124.308 34.798,122.174 34.061,121.615
  region net NTC1+: 58.547,92.481 56.591,92.481 55.524,91.415 55.524,89.306 54.61,89.306 54.61,84.988 56.363,84.988 56.363,89.586 58.649,89.586
  region net +12V_EXP: 102.768,80.569 105.994,83.795 106.02,83.795 106.02,80.772 105.816,80.569
  region net +12V_EXP: 48.514,80.95 48.514,78.816 88.468,78.816 88.468,76.454 94.259,76.454 94.259,80.578 93.888,80.95
  region net +12V_EXP: 94.258,80.58 93.97,80.867 105.918,80.773 105.994,109.728 107.467,109.728 107.467,82.22 104.165,78.918 94.258,78.918
  region net HEATER_1_A: 50.165,127.711 50.165,129.032 82.067,129.032 82.067,127 50.201,127
  region net HEATER_1_A: 46.914,143.256 46.939,143.256 46.939,128.245 32.461,128.245 32.461,126.721 50.241,126.721 50.241,143.307
  region net HEATER_1_A: 56.261,144.704 51.638,144.704 51.562,144.78 51.562,150.012 46.939,150.012 46.939,143.256 56.261,143.256
  region net HEATER_1_A: 69.469,145.796 56.286,145.796 56.261,145.771 56.261,143.256 69.469,143.256
  region net HEATER_1_A: 38.075,149.86 51.6,149.86 51.6,152.476 38.075,152.476
  region net +12V_EXP: 107.137,109.728 109.347,109.728 109.347,100.076 107.137,100.076
L4[BOT]:
  rectangle net NTC1+: 29.667,113.538 32.334,122.326
  rectangle net NTC1+: 44.933,146.914 49.047,149.758
  region net NTC1+: 41.173,147.345 41.173,149.758 45.841,149.758 45.091,149.403 42.774,149.403 42.774,147.32
  region net NTC1+: 45.11,146.558 46.736,146.558 46.736,137.287 78.892,137.287 78.892,139.167 49.047,139.167 49.047,147.345 45.11,147.345
  region net NTC1+: 41.173,134.772 41.173,147.345 45.11,147.345 45.11,146.558 43.917,146.558 43.917,143.434 45.136,143.434 45.136,142.519 45.187,142.469 45.11,142.392 43.942,142.392 43.942,134.798 43.917,134.772
  region net NTC1+: 32.233,124.062 32.233,132.613 75.794,132.613 75.794,134.925 29.972,134.925 29.667,134.925 29.667,124.119
  region net NTC1+: 29.667,124.308 34.798,124.308 34.798,122.174 29.667,122.174
  region net +5v: 50.317,108.28 53.67,108.28 55.88,108.28 55.88,107.366 50.317,107.366
  region net +5v: 48.844,112.344 55.88,112.344 55.88,108.28 53.67,108.28 53.67,110.414 48.844,110.414
  region net IR_LED_P: 42.647,103.327 44.044,103.327 44.044,107.239 44.069,107.264 46.457,107.264 46.457,110.439 47.727,110.439 47.727,112.344 45.771,112.344 45.771,109.626 44.78,109.626 44.78,108.331 42.658,108.331
  region net NetC123_2: 42.672,103.048 48.158,103.048 48.158,99.873 45.491,99.873 45.491,101.829 42.672,101.829
  region net NetD4_A: 50.267,106.807 55.931,106.807 55.931,104.394 51.765,104.394 51.765,99.974 49.149,99.974 49.149,103.2 50.267,103.2

## Silkscreen, mask and mechanical layers (free items; w line width, h text height)
Top Overlay:
  text "SCL" at 29.159,118.551 h1
  text "SDA" at 29.108,117.509 h1
  text "+3.3V" at 28.55,116.442 h1
  text "GND" at 29.058,115.477 h1
  text "SCL" at 29.083,112.226 h1
  text "SDA" at 29.032,111.185 h1
  text "+3.3V" at 28.473,110.118 h1
  text "GND" at 28.981,109.153 h1
  text "+3.3V" at 32.487,96.965 h1.52
  text "GND" at 32.995,94.578 h1.52
  text "SWDIO" at 31.775,92.114 h1.52
  text "SWCLK" at 31.344,89.371 h1.52
  text "NRST" at 32.436,86.475 h1.52
  text "RX" at 33.591,83.496 h1.52
  text "TX" at 33.579,81.128 h1.52
  text "GND" at 33.096,78.271 h1.52